# Altium PCB WatchX_Pro.PcbDoc (part 1 of 2)
Units mil, origin at the board's own origin, x right, y up, seen from the top; angles counter-clockwise.
Board outline 1290.15 x 1742.13 mil, 2 copper layers (Top Layer, Bottom Layer); 83 components, 60 nets, 312 pads, 112 vias.
Unrouted connection lines stored in the file: 11.
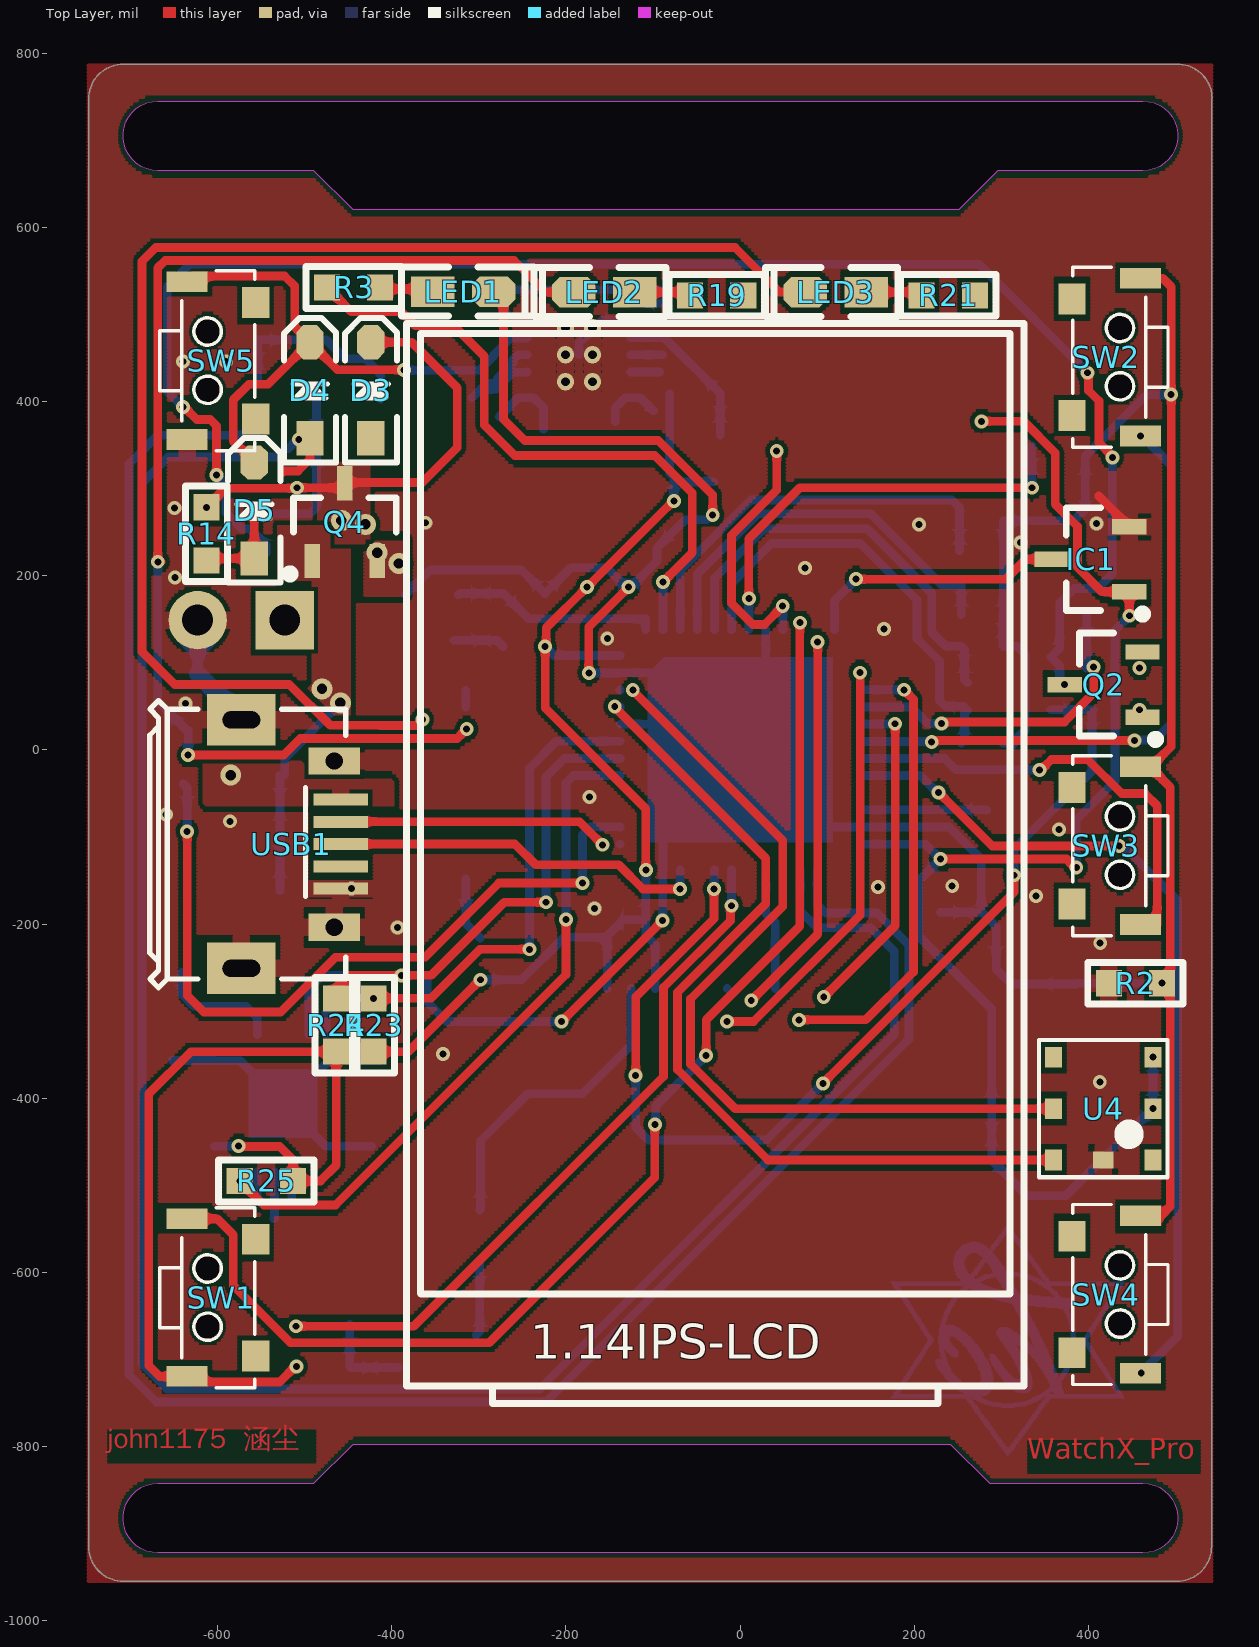
[diagram p0: Top Layer view]
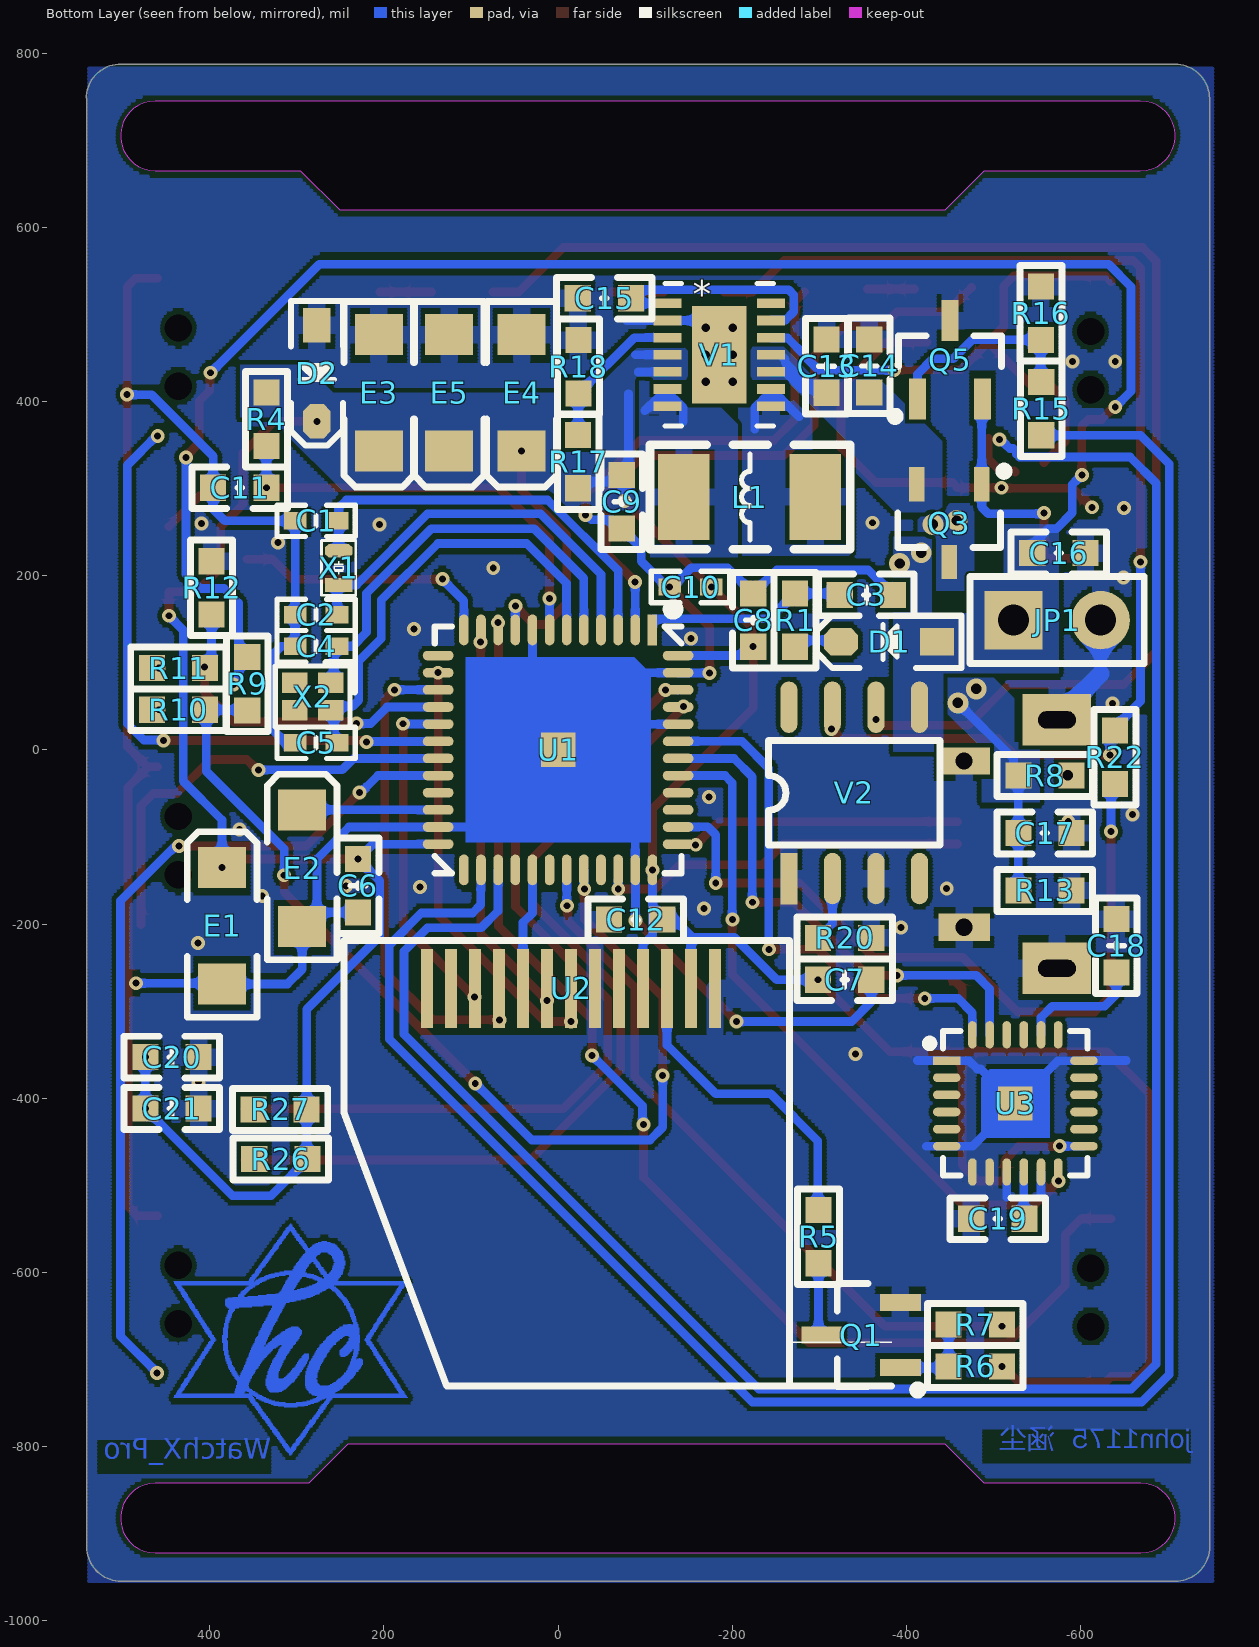
[diagram p1: Bottom Layer view, seen from below]

## Layer stack, top to bottom
Top Solder: solder mask 0.4, Solder Resist, Dk 3.5
Top Layer: signal copper 1.4
Dielectric 1: dielectric 12.6, FR-4, Dk 4.8
Bottom Layer: signal copper 1.4
Bottom Solder: solder mask 0.4, Solder Resist, Dk 3.5

## Board outline
-748.17,-915.35 ccw(c-708.8,-915.35) -708.66,-954.72 501.97,-954.72 ccw(c501.97,-915.35) 541.34,-915.35 541.34,748.67 541.97,748.03 ccw(c502.6,748.03) 501.97,787.4 -708.6,787.4 -708.66,787.34 ccw(c-708.72,748.03) -748.03,748.03 -748.03,747.97
cut-out: 462.6,745.08 cw(c462.6,705.08) 462.6,665.08 295.91,665.08 250.91,620.08 -444.52,620.08 -489.52,665.08 -668.72,665.08 cw(c-668.72,705.08) -668.72,745.08
cut-out: -668.8,-922.24 cw(c-668.8,-882.24) -668.8,-842.24 -489.52,-842.24 -444.52,-797.24 241.51,-797.24 286.51,-842.24 462.6,-842.24 cw(c462.6,-882.24) 462.6,-922.24

## Design rules (kind name [scope] priority, off if disabled: settings)
Clearance [All] p1: gap=5 ignorepadtopadclearanceinfootprint=TRUE except(0: Arc-Text Arc-Hole Track-Text Track-Hole SMDPad-THPad SMDPad-Text SMDPad-Hole THPad-Text THPad-Hole Via-Text Via-Hole Fill-Text Fill-Hole Poly-Text Poly-Hole Region-Text Region-Hole Text-Text Text-Hole)
PlaneClearance [All] p1: clearance=10
PlaneConnect [All] p1: pad.planeconnectstyle=Relief pad.reliefexpansion=5 pad.reliefentries=4 pad.reliefconductorwidth=20 pad.reliefairgap=5 via.planeconnectstyle=Direct via.reliefexpansion=5 via.reliefentries=4 via.reliefconductorwidth=20 via.reliefairgap=5
PolygonConnect 3.3V [InNet('3.3V')] p1: connectstyle=Direct reliefconductorwidth=10 reliefentries=4 polygonreliefangle="90 Angle" airgapwidth=10
PolygonConnect USB_VCC [InNet('USB_VCC')] p2: connectstyle=Direct reliefconductorwidth=10 reliefentries=4 polygonreliefangle="90 Angle" airgapwidth=10
PolygonConnect BAT [InNet('BAT')] p3: connectstyle=Direct reliefconductorwidth=10 reliefentries=4 polygonreliefangle="90 Angle" airgapwidth=10
PolygonConnect NetD3_2 [InNet('NetD3_2')] p4: connectstyle=Direct reliefconductorwidth=10 reliefentries=4 polygonreliefangle="90 Angle" airgapwidth=10
PolygonConnect VCC [InNet('VCC')] p5: connectstyle=Direct reliefconductorwidth=10 reliefentries=4 polygonreliefangle="90 Angle" airgapwidth=10
PolygonConnect [All] p6: thpad.connectstyle=Relief thpad.reliefconductorwidth=20 thpad.reliefentries=4 thpad.polygonreliefangle="90 Angle" thpad.airgapwidth=5 smdpad.connectstyle=Relief smdpad.reliefconductorwidth=20 smdpad.reliefentries=4 smdpad.polygonreliefangle="90 Angle" smdpad.airgapwidth=5 via.connectstyle=Direct via.reliefconductorwidth=20 via.reliefentries=4 via.polygonreliefangle="90 Angle" via.airgapwidth=10
RoutingVias [All] p1: holewidth=8 width=16 viastyle="Through Hole" minholewidth=8 minwidth=16 maxholewidth=12 maxwidth=24
SolderMaskExpansion [All] p1: expansion=4
UnRoutedNet [All] p1: checkbadconnections=TRUE
Width [All] p1: maxlimit=20 minlimit=10 preferedwidth=10 checkconnectedcopper=TRUE
27 further rules are at their usual default settings.

## Classes and differential pairs
component class Designator: D3 D4 D5 JP1 Q2 Q3 Q4 Q5 R8 R9 R10 R11 R12 R13 R14 R15 R16 SW5 USB1

## Components (designator, comment, footprint, x,y, rotation, side; value= is the part's Value field where it differs from the comment)
C1 "22pF" "C 0402_M" 278,263 r180 bottom
C2 "22pF" "C 0402_M" 278,155 r180 bottom
C3 "104" "C 0603_L" -354,178 r180 bottom
C4 "22pF" "C 0402_M" 277.93,119 r180 bottom
C5 "22pF" "C 0402_M" 277.93,8 r180 bottom
C6 "104" "C 0603_L" 230,-156 r90 bottom
C7 "104" "C 0603_L" -329,-264 r0 bottom
C8 "104" "C 0603_L" -224,149 r270 bottom
C9 "104" "C 0603_L" -73,285 r90 bottom
C10 "105" "C 0402_M" -152,187 r180 bottom
C11 "104" "C 0603_L" 365.59,301 r180 bottom
C12 "104" "C 0603_L" -89,-195 r0 bottom
C13 "106" "C 0603_L" -308.28,440.67 r90 bottom
C14 "106" "C 0603_L" -357.28,440.87 r90 bottom
C15 "104" "C 0603_L" -53.15,518.7 r180 bottom
C16 "106" "C 0603_L" -575,226 r180 bottom
C17 "106" "C 0603_L" -559.06,-95.47 r0 bottom
C18 "2.2nF" "C 0603_L" -641,-225 r90 bottom
C19 "104" "C 0603_L" -505,-538.41 r180 bottom
C20 "104" "C 0603_L" 443.5,-352.89 r0 bottom
C21 "104" "C 0603_L" 443.5,-411.94 r0 bottom
D1 "1N5819" SOD-323 -380,124 r0 bottom
D2 "MM3Z3V6" SOD-323 277,432.44 r270 bottom
D3 "1N5819" SOD-323 -424,413 r90 top
D4 "1N5819" SOD-323 -494,413 r90 top
D5 "1N5819" SOD-323 -558,275 r90 top
E1 "4.7uF/16V" "CD A(3216)" 386,-202 r270 bottom
E2 "4.7uF/16V" "CD A(3216)" 294,-136 r270 bottom
E3 "22uF/10V" "CD A(3216)" 206,410 r90 bottom
E4 "22uF/10V" "CD A(3216)" 42,410 r90 bottom
E5 "22uF/10V" "CD A(3216)" 125.14,410 r90 bottom
IC1 "TC1047/TC1047A" SOT23-3L 402,219 r90 top
JP1 "HDR-1X2" HDR2.54-LI-2P -573,149 r180 bottom
L1 "1.5uH" SMD,4.75x4.45x2mm -220.47,290.35 r0 bottom
LED1 "绿色" "LED 0603G" -318,526 r0 top
LED2 "红色" "LED 0603R" -156,526 r180 top
LED3 "蓝色" "LED 0603B" 110,526 r180 top
Q1 "SS8050" SOT23-3N -348,-672 r90 bottom
Q2 "CJ3401" SOT23-3L 417,75 r90 top
Q3 "CJ3401" SOT23-3L -449,260 r0 bottom
Q4 "CJ3401" SOT23-3L -454,262 r0 top
Q5 "SS8050" SOT23-3N -450,448 r180 bottom
R1 "1K" "R 0603_L" -272,149 r90 bottom
R2 "0R" "R 0603_L" 454,-268 r180 top
R3 "1K" "R 0603_L" -444,531 r180 top
R4 "47K" "R 0603_L" 335,379.59 r90 bottom
R5 "10R" "R 0603_L" -299,-559 r270 bottom
R6 "20K" "R 0603_L" -479,-708 r180 bottom
R7 "1K" "R 0603_L" -479,-660 r0 bottom
R8 "0R" "R 0603_L" -559.06,-29.46 r0 bottom
R9 "1M" "R 0603_L" 357,76 r270 bottom
R10 "1K" "R 0603_L" 436,46 r0 bottom
R11 "10K" "R 0603_L" 436,94 r180 bottom
R12 "10K" "R 0603_L" 398,186 r90 bottom
R13 "10K" "R 0603_L" -559.06,-161.48 r180 bottom
R14 "100K" "R 0603_L" -613,248 r270 top
R15 "1K" "R 0603_L" -554.74,391.87 r270 bottom
R16 "10K" "R 0603_L" -554.45,501.41 r90 bottom
R17 "1M" "R 0603_L" -23,331 r270 bottom
R18 "180K" "R 0603_L" -23.23,440 r270 bottom
R19 "2K" "R 0603_L" -27,522 r0 top
R20 "2K" "R 0603_L" -329,-216 r0 bottom
R21 "10K" "R 0603_L" 239,522 r0 top
R22 "2K" "R 0603_L" -639.46,-8.46 r270 bottom
R23 "10K" "R 0603_L" -421,-316 r270 top
R24 "10K" "R 0603_L" -464,-316 r270 top
R25 "10K" "R 0603_L" -544,-495 r180 top
R26 "4.7K" "R 0603_L" 318.41,-470 r180 bottom
R27 "4.7K" "R 0603_L" 319.41,-413 r180 bottom
SW1 "3x6x5" "TSW 4.6*1.82*3.5-S-W" -611.56,-629 r90 top
SW2 "3x6x5" "TSW 4.6*1.82*3.5-S-W" 436.23,451 r270 top
SW3 "3x6x5" "TSW 4.6*1.82*3.5-S-W" 436.23,-110 r270 top
SW4 "3x6x5" "TSW 4.6*1.82*3.5-S-W" 436.23,-625.46 r270 top
SW5 "3x6x5" "TSW 4.6*1.82*3.5-S-W" -611.56,447 r90 top
U1 "STM32F411CEU6" "QFN48 7X7_N" 0,0 r0 bottom
U2 "IPS-LCD" 1.14IPS-LCD -713.61,-478.72 r270 top
U3 "MPU6050" "QFN24 4x4_L" -525,-406 r270 bottom
U4 "BMP180" LGA-7 417,-411.94 r270 top
USB1 "USB-5P" USB-MICRO_A -572.83,-108.27 r270 top
V1 "TPS63020" "VSON - 14" -100.04,538.74 r180 bottom
V2 "TP4056" SOP8_L -340,-49.41 r90 bottom
X1 "32.768kHz" "OSC 1016-2P" 252,209 r270 bottom
X2 "25MHz" "OSC 1612-4P" 281.87,61.25 r0 bottom

## Footprints (in the part's own frame and the unit in brackets; to place one, negate y for a bottom-side part, rotate by r counter-clockwise, add the part's x,y. Pads: shape width x height; smd on the part's side, far side on the other; paste and mask are expansions set on the pad)
1.14IPS-LCD [mm] "1.14寸IPS-LCD裸屏SPI接口"
  rect 2.3x0.35 smd far side: 1(-5.2,21.95) 2(-5.2,21.25) 3(-5.2,20.55) 4(-5.2,19.85) 5(-5.2,19.15) 6(-5.2,18.45) 7(-5.2,17.75) 8(-5.2,17.05) 9(-5.2,16.35) 10(-5.2,15.65) 11(-5.2,14.95) 12(-5.2,14.25) 13(-5.2,13.55)
  silkscreen extent -24.6,8.4 6.9,26.4
"C 0402_M" [mil] "无极性贴片电容"
  rect 26x20 smd: 1(-24,0) 2(24,0)
  silkscreen extent -45,-18 45,18, body extent -20,-10 20,10, height 21
"C 0603_L" [mil] "无极性贴片电容"
  rect 30x30 smd: 1(-30.59,0) 2(30.59,0)
  silkscreen extent -55,-24 55,24, body extent -31,-16 31,16, height 32
"CD A(3216)" [mm] "长3.2mm，宽1.6mm，厚1.6mm"
  rect 1.2x1.4 smd: 1(-1.7,0) 2(1.7,0)
  silkscreen extent -2.74,-1.02 2.67,1.02, body extent -1.6,-0.8 1.6,0.8, height 1.6
HDR2.54-LI-2P [mm] "排针，2脚"
  rect 1.7x1.7 hole 0.9: 1(-1.27,0)
  round 1.7 hole 0.9: 2(1.27,0)
  silkscreen extent -2.54,-1.27 2.54,1.27, body extent -2.54,-1.27 2.54,1.27, height 8.5
"LED 0603B" [mil] "蓝色0603LED"
  rect 50x35 smd: 1(-35,0.26)
  oct 50x35 smd: 2(35,0.26)
  silkscreen extent -71,-28 81,28, body extent -31,-16 32,16, height 24
"LED 0603G" [mil] "绿色0603LED"
  rect 50x35 smd: 1(-35,0.26)
  oct 50x35 smd: 2(35,0.26)
  silkscreen extent -71,-28 81,28, body extent -31,-16 32,16, height 18
"LED 0603R" [mil] "红色0603LED"
  rect 50x35 smd: 1(-35,0.26)
  oct 50x35 smd: 2(35,0.26)
  silkscreen extent -71,-28 81,28, body extent -31,-16 31,16, height 18
LGA-7 [mm]
  rect 0.6x0.5 smd: 1(1.5,1.45) 2(0,1.45) 3(-1.5,1.45) 4(-1.5,-1.45) 5(0,-1.45) 6(1.5,-1.45)
  rect 0.5x0.6 smd: 7(1.5,0)
  silkscreen extent -2,-1.88 2,1.87
"OSC 1016-2P" [mm] "1.6*1.0*0.5mm(长宽高)"
  oct 0.4x0.8 smd: 1(-0.5,0)
  rect 0.4x0.8 smd: 2(0.5,0)
  silkscreen extent -0.8,-0.5 0.8,0.5
"OSC 1612-4P" [mm] "1.6*1.2*0.35mm（长宽高）"
  rect 0.75x0.6 smd: 1(-0.525,-0.4) 2(0.525,-0.4) 3(0.525,0.4) 4(-0.525,0.4)
  silkscreen extent -1.22,-0.99 1.09,0.89, body extent -0.8,-0.6 0.8,0.6, height 0.35
"QFN24 4x4_L" [mm] "24脚，长x宽x高：4x4x1mm，脚距：0.5mm"
  rect 0.25x0.8 smd: 1(-1.25,-2)
  oval 0.25x0.8 smd: 2(-0.75,-2) 3(-0.25,-2) 4(0.25,-2) 5(0.75,-2) 6(1.25,-2) 13(1.25,2) 14(0.75,2) 15(0.25,2) 16(-0.25,2) 17(-0.75,2) 18(-1.25,2)
  oval 0.8x0.25 smd: 7(2,-1.25) 8(2,-0.75) 9(2,-0.25) 10(2,0.25) 11(2,0.75) 12(2,1.25) 19(-2,1.25) 20(-2,0.75) 21(-2,0.25) 22(-2,-0.25) 23(-2,-0.75) 24(-2,-1.25)
  rect 1x1 smd: 25(0,0)
  Top Layer region: -1,1 1,1 1,-1 -0.75,-1 -1,-0.75
  silkscreen extent -2.11,-2.6 2.11,2.11, body extent -2.01,-2.01 2.01,2.01, height 0.95
"QFN48 7X7_N" [mm] "48脚，长x宽x高：7x7x1mm，脚距：0.5mm"
  rect 0.28x0.9 smd: 1(-2.75,-3.5)
  oval 0.28x0.9 smd: 2(-2.25,-3.5) 3(-1.75,-3.5) 4(-1.25,-3.5) 5(-0.75,-3.5) 6(-0.25,-3.5) 7(0.25,-3.5) 8(0.75,-3.5) 9(1.25,-3.5) 10(1.75,-3.5) 11(2.25,-3.5) 12(2.75,-3.5) 25(2.75,3.5) 26(2.25,3.5) 27(1.75,3.5) 28(1.25,3.5) 29(0.75,3.5) 30(0.25,3.5) 31(-0.25,3.5) 32(-0.75,3.5) 33(-1.25,3.5) 34(-1.75,3.5) 35(-2.25,3.5) 36(-2.75,3.5)
  oval 0.9x0.28 smd: 13(3.5,-2.75) 14(3.5,-2.25) 15(3.5,-1.75) 16(3.5,-1.25) 17(3.5,-0.75) 18(3.5,-0.25) 19(3.5,0.25) 20(3.5,0.75) 21(3.5,1.25) 22(3.5,1.75) 23(3.5,2.25) 24(3.5,2.75) 37(-3.5,2.75) 38(-3.5,2.25) 39(-3.5,1.75) 40(-3.5,1.25) 41(-3.5,0.75) 42(-3.5,0.25) 43(-3.5,-0.25) 44(-3.5,-0.75) 45(-3.5,-1.25) 46(-3.5,-1.75) 47(-3.5,-2.25) 48(-3.5,-2.75)
  rect 1x1 smd mask+0.051: 49(0,0)
  Top Layer region: -2.7,2.7 2.7,2.7 2.7,-2.7 -2.214,-2.7 -2.7,-2.214
  silkscreen extent -3.6,-4.25 3.6,3.6, body extent -3.51,-3.51 3.51,3.51, height 0.95
"R 0603_L" [mil] "1/10W贴片电阻"
  rect 30x30 smd: 1(-30.59,0) 2(30.59,0)
  silkscreen extent -55,-24 55,24, body extent -31,-16 31,16, height 16
SMD,4.75x4.45x2mm [mm] "4.75x4.45x2mm长宽高"
  rect 1.5x2.5 smd: 1(-1.905,0) 2(1.93,0)
  silkscreen extent -2.92,-1.52 2.92,1.52
SOD-323 [mm] "1.8x1.3X0.9mm（长宽高，不包括引脚）"
  rect 1x0.8 smd: 1(-1.4,0)
  oct 1x0.8 smd: 2(1.4,0)
  silkscreen extent -2.11,-0.76 2.11,0.76, body extent -1.34,-0.63 1.31,0.67, height 1
SOP8_L [mm] "5*6*1.8mm（长宽高）"
  rect 1.5x0.5 smd: 1(-2.5,1.905)
  oval 1.5x0.5 smd: 2(-2.5,0.635) 3(-2.5,-0.635) 4(-2.5,-1.905) 5(2.5,-1.905) 6(2.5,-0.635) 7(2.5,0.635) 8(2.5,1.905)
  silkscreen extent -1.52,-2.5 1.52,2.5, body extent -3,-2.5 3,2.5, height 1.9
SOT23-3L [mm] "3x1.3x1mm(长宽高)"
  rect 0.45x1 smd: 1(-0.95,-1.143) 2(0.95,-1.143) 3(0,1.125)
  silkscreen extent -1.72,-1.65 1.5,0.7, body extent -1.5,-1.2 1.5,1.2, height 1.05
SOT23-3N [mm] "3x1.3x1mm(长宽高)"
  rect 0.5x1.2 smd: 1(-0.95,-1.143) 2(0.95,-1.143) 3(0,1.143)
  silkscreen extent -1.72,-1.78 1.5,0.7, body extent -1.5,-1.2 1.5,1.2, height 1.05
"TSW 4.6*1.82*3.5-S-W" [mm] "侧立贴片4.6*1.82*3.5"
  rect 0.9x0.8 smd: 0(-1.7,-1.4) 0(1.7,-1.4)
  round 0 hole 0.8: 0(-0.85,0) 0(0.85,0)
  rect 0.6x1.2 smd: 1(2.3,0.6) 2(-2.3,0.6)
  silkscreen extent -2.63,-1.38 2.63,1.4
USB-MICRO_A [mm] "micro型USB ，5.7*7.8*2.5mm"
  rect 0.35x1.6 smd: 1(-1.3,2.9) 2(-0.65,2.9) 3(0,2.9) 4(0.65,2.9) 5(1.3,2.9)
  rect 1.5x2 hole 0.5 slot 1.1 at 90 deg: 5(-3.625,0) 5(3.625,0)
  rect 0.8x1.5 hole 0.5: 5(-2.425,2.71) 5(2.425,2.71)
  silkscreen extent -4.19,-2.67 4.19,3.05, body extent -4,-2.71 4,2.89, height 2.8
"VSON - 14" [mil]
  rect 32.28x11.02 smd: 1(25.55,-25.94) 2(25.55,-45.63) 3(25.55,-65.31) 4(25.55,-85) 5(25.55,-104.69) 6(25.55,-124.37) 7(25.55,-144.06) 8(144.45,-144.06) 9(144.45,-124.37) 10(144.45,-104.68) 11(144.45,-85) 12(144.45,-65.31) 13(144.45,-45.63) 14(144.45,-25.94)
  rect 62.2x112.2 smd: 15(85,-85)
  round 20 hole 10 mask-1000: 16(69.5,-116) 17(69.5,-85) 18(69.5,-54) 19(100.5,-116) 20(100.5,-85) 21(100.5,-54)
  silkscreen extent 23,-167 147,-3, body extent 26,-164 144,-6, height 39

## Part data
C1 C2 C3 C4 C5 C6 C7 C8 C9 C10 C11 C12 C13 C14 C15 C16 C17 C18 C19 C20 C21: library part C, "无极性贴片电容", 学习资源=https://lmdzstyle
D1 D3 D4 D5: "肖特基二极管"
D2: "3.6V/0.3W稳压管"
E1 E2 E3 E4 E5: library part C-CD, "贴片钽电容", 学习资源=https://lmdzstyle
IC1: "温度传感器 温度=(电压-500mV)÷10，测温范围-40℃~125℃"
JP1: library part "Header 2", "2P接插件", 学习资源=ww
L1: library part L-CD, "贴片功率电感", 学习资源=https://lmdzstyle
LED1 LED2 LED3: library part LED-SMD, "贴片LED", 学习资源=ww
Q1 Q5: library part 8050-SMD, "高频放大-NPN型 丝印J3Y", 学习资源=ww, 属性="40V 1.5A 1W 10"
Q2 Q3 Q4: "P沟道 30V/4.2A"
R1 R2 R3 R4 R5 R6 R7 R8 R9 R10 R11 R12 R13 R14 R15 R16 R17 R18 R19 R20 R21 R22 R23 R24 R25 R26 R27: library part R, "贴片电阻", 学习资源=https://lmdzstyle
SW1 SW2 SW3 SW4 SW5: library part "TSW 3x6", "3x6轻触开关", BOM名称=3x, 学习资源=ww
U1: "ARM Cortex-M4 32-bit MCU+FPU, 105 DMIPS, 256 kB Flash, 64 kB Internal RAM, 36 I/Os, 48-pin UFQFPN, -40 to 85 degC, Tray", I/Os (High Current)=36, Manufacturer=STMicroelectronics, Operating Frequency(F) (Processor speed) (MHz)=84, PartNumber=STM32F401CCU6, Supplier Part Number 1=19X6217, Supply Voltage(Vcc) max (V)=3.6, Supply Voltage(Vcc) min (V)=1.8, ComponentLink1Description="Manufacturer URL", ComponentLink1URL=http://www.st.com/web/en/home.html, ComponentLink2Description=Datasheet, ComponentLink2URL=http://www.st.com/st-web-ui/static/active/en/resource/technical/document/data_brief/DM00071938.pdf, ComponentLink3Description="Package Specification", ComponentLink3URL=http://www.st.com/st-web-ui/static/active/en/resource/technical/document/data_brief/DM00071938.pdf, Core="ARM Cortex-M4", DatasheetVersion="Rev. 1", FLASH Size (Prog) (kB)=256, Internal RAM Size (kB)=64, Mounting Technology="Surface Mount", PackageDescription="48-Pin Ultra Thin Fine Pitch Quad Flat No-Lead, 7 x 7 x 0.6 mm Body, 0.5 mm Pitch, Exposed Pad", PackageReference=UFQFPN48, PackageVersion="Rev. 1, 04/2013", Packing=Tray, Supplier 1=Newark, Supplier 2=Mouser, Supplier Part Number 2=511-STM32F401CCU6
U2: library part IPS-LCD-1.14, "IPS-LCD-1.14寸裸屏spi接口"
U3: "数字运动传感器"
U4: "气压传感器Pressure Sensor 4.35PSI ~ 15.95PSI _30kPa ~ 110kPa_ Absolute 16 ~ 19 b 7-VLGA", Package="VLGA-7 Bosch Sensortec", Digi-Key_Part_Number=828-1027-1-ND, Digi-Key_Purchase_URL=https://www.digikey.com/product-detail/en/bosch-sensortec/BMP180/828-1027-1-ND/2688260?utm_source=snapeda&utm_medium=aggregator&utm_campaign=symbol, MF="Bosch Sensortec", MP=BMP180, SnapEDA_Link=https://www.snapeda.com/parts/BMP180/Bosch%20Sensortec/view-part/587596/?ref=snap
USB1: "微型USB母座", 学习资源=ww
V1: "单电感器降压/升压转换器   High Efficiency Single Inductor Buck-Boost Converter with 4A Switch"
V2: "锂电池充电管理"
X1: library part XTAL-2P, "2脚无源脚晶振", 学习资源=ww
X2: library part XTAL-MC-4P, "MC系列4脚晶振"

## Via types
v1: diameter 16, hole 8, Top Layer to Bottom Layer, tented both sides, 105 vias
v2: diameter 24, hole 12, Top Layer to Bottom Layer, tented both sides, 7 vias

## Nets (pads, with @x,y where several pads share a name; then routed paths per layer and width w, separated by ;. In a path a pad name is that pad's centre, name@x,y a point inside that pad or via, vN(x,y) a via of type N, cw(c..) or ccw(c..) an arc to the next point about the centre after c; other vN are vias at no path point)
3.3V: C6.2 C7.2 C8.2 C9.2 C10.2 C12.1 C20.2 C21.2 D2.2 E1.1 E3.1 E4.1 E5.1 IC1.1 R4.2 R6.2 R17.2 R23.2 R24.2 R25.1 R26.2 R27.2 SW1.2 U1.9 U1.24 U1.36 U1.48 U2.10 U2.12 U3.13 U4.2 U4.3 V1.4 V1.5 | length 4414.8
  Top Layer w10: v1(-576,-455) -575.59,-455.41 -528.59,-455.41 -513.41,-470.59 R25.1@-513.41,-495 -482,-495 -464,-477 R24.2@-464,-346.59 ; v1(-509.59,-708) -510.83,-708 -528.83,-726 -628.73,-726 SW1.2@-635.18,-719.55 -666.45,-719.55 -679,-707 -679,-395 -630.59,-346.59 R24.2@-464,-346.59 ; v1(-298.41,-264) -381,-346.59 R23.2@-421,-346.59 R24.2@-464,-346.59 ; v1(-108.27,-137.8) -108.27,-67.48 -223.92,48.17 v1(-223.92,118.49) -222.77,119.64 -222.77,140.23 v1(-175.92,187.08) -175.42,187.08 -76.5,286 v1(-76,286) ; v1(42,343.07) 42,298.45 -10,246.45 -10,168.54 14.54,144 27.9,144 v1(48.9,165) ; v1(230,-125.41) 230.06,-125.35 374.66,-125.35 384.38,-135.07 v1(386,-135.07) ; v1(277,377.32) 325.68,377.32 362,341 362,282 387.39,256.61 387.39,209.61 415.4,181.6 IC1.1@447,181.6 v1(447,154)
  Bottom Layer w10: U3.13@-603.74,-455.21 -603.66,-455.13 -576.13,-455.13 v1(-576,-455) ; v1(-298.41,-264) -251,-264 -202.11,-215.11 -152.59,-215.11 ; C8.2@-224,118.41 -214,108.41 -137.94,108.41 U1.48@-137.8,108.27 ; U2.12@-152.59,-274 -152.59,-215.11 ; V1.5@-125.59,434.05 -92.23,434.05 ; V1.4@-125.59,453.74 -88.77,453.74 ; v1(-108.27,-137.8) C12.1@-108.27,-195 ; U2.10@-97.47,-274 -97.47,-223.53 -108.27,-212.73 C12.1@-108.27,-195 ; C9.2@-80.8,317.39 -80.8,408.9 ; v1(-76,286) C9.2@-76,312.59 ; C9.2@-65.41,308 R17.2@-30.59,308 ; v1(48.9,165) 49.06,164.84 49.06,137.95 U1.9@49.21,137.8 ; U1.24@137.8,-108.27 212.86,-108.27 v1(230,-125.41) 205,-150.41 205,-214.05 288.82,-297.87 R27.2@288.82,-413 R26.2@288.82,-469 ; R26.2@287.82,-470 329.82,-512 374.03,-512 v1(474.09,-411.94) v1(474.09,-352.89) ; v1(386,-135.07) 386,-80.53 430.41,-36.12 430.41,137.41 v1(447,154) ; -152.59,-215.11 -152.59,-213.59 -134,-195 C12.1@-119.59,-195 C12.1@-108.27,-195
BAT: C16.1 D1.1 JP1.1 Q2.3 Q4.2 R9.1 V2.5 | length 1908.7
  Top Layer w10: v1(-639.76,393.7) -638.14,393.7 -623.91,379.47 -608.63,379.47 -601.38,372.22 v1(-601.38,315.59) ; v1(399,433.07) 400.15,431.92 400.15,412.64 412.18,400.61 412.18,352.75 427.47,337.46 v1(427.47,335.84)
  Bottom Layer w10: v1(-639.76,393.7) -657.76,411.7 -657.76,531.98 -632.16,557.59 274.48,557.59 v1(399,433.07) ; v1(-601.38,315.59) -590.55,304.76 -590.55,272.26 -572.29,254 -562.95,254 -544.41,235.46 C16.1@-544.41,226 ; v1(372.71,75) 372.71,76.62 367,82.33 367,96.59 R9.1@357,106.59 367,116.59 367,168.55 383.68,185.24 410.79,185.24 427.47,201.92 v1(427.47,335.84)
  other v2: -392.12,214 -417,226.39
BAT_CHG: R22.2 U1.38 | length 870.5
  Top Layer w10: v1(-635,-93.5) -635,-282 -616,-301 -527.65,-301 -464.65,-238 -362,-238 -277,-153 v1(-181,-153)
  Bottom Layer w10: R22.2@-639.46,-39.05 -635,-43.52 v1(-635,-93.5) ; v1(-181,-153) -181,-97.54 -171.84,-88.39 -137.99,-88.39 U1.38@-137.8,-88.58
BAT_CTRL: R9.2 R10.1 U1.32 | length 1187.6
  Top Layer w10: v1(-120,-374) -120,-283.79 -30,-193.79 v1(-30,-160) ; v1(95.19,-383) 314.59,-163.59 v1(314.59,-144)
  Bottom Layer w10: v1(-120,-374) -120,-433.46 -105.46,-448 30.19,-448 v1(95.19,-383) ; v1(-30,-160) -29.72,-159.72 -29.72,-137.99 U1.32@-29.53,-137.8 ; v1(314.59,-144) 314.59,-113.8 404,-24.39 R10.1@404,44.59 ; R9.2@356.59,46 404,46 R10.1@404,44.59 ; R10.1@405.41,46 R10.1@404,44.59
BAT_DET: R11.2 R12.1 U1.16 | length 383.8
  Top Layer w10: v1@231.43,32.09 372.49,32.09 406,65.61 v1@406,94.08
  Bottom Layer w10: U1.16@137.8,49.21 137.9,49.11 196.61,49.11 215.56,30.16 v1(231.43,30.16) 232.81,30.16 v1@234.46,28.5 ; R11.2@397.41,94 398,94.59 R12.1@398,155.41
  other v1: 406,95
BMP180_SCL: R26.1 U1.45 U4.6 | length 1005.9
  Top Layer w10: v1@-144.5,49.5 29.53,-124.53 29.53,-176.69 -72,-278.21 -72,-367 32.06,-471.06 U4.6@359.91,-471.06
  Bottom Layer w10: U1.45@-137.99,49.02 U1.45@-137.8,49.21
  other v1: -144,50
BMP180_SDA: R27.1 U1.46 U4.5 | length 983.2
  Top Layer w10: v1@-123.61,68.61 49.06,-104.06 49.06,-179.98 -57,-286.04 -57,-360.79 -5.79,-412 U4.5@359.91,-412
  Bottom Layer w10: U1.46@-137.99,68.7 U1.46@-137.8,68.9
  other v1: -123.32,68.9
EN: D4.2 D5.2 SW5.1 V1.12 | length 679.3
  Top Layer w10: SW5.1@-635.18,537.55 -628.52,544.21 -523.21,544.21 -511.61,532.61 -511.61,485.73 D4.2@-494,468.12 ; D5.2@-558,330.12 -582.19,354.31 -582.19,401.93 -564.12,420 -542.12,420 D4.2@-494,468.12 ; v1(-386,436) -386.43,436.43 -462.31,436.43 D4.2@-494,468.12
  Bottom Layer w10: v1(-386,436) -299.4,436 -283.28,452.12 -283.28,453.12 -263.49,472.91 -245,472.91 V1.12@-244.49,473.43
GND: C12.2 C13.2 C14.2 C15.1 C16.2 C17.1 C18.2 C19.1 C20.1 C21.1 D2.1 E3.2 E4.2 E5.2 IC1.2 JP1.2 Q1.2 Q5.3 R2.2 R12.2 R13.2 R16.2 R18.1 R20.1 SW5.2 U2.8 U2.13 U3.1 U3.6 U3.7 U3.8 U3.9 U3.11 U3.18 U3.25 U4.7 USB1.5 V1.2 V1.15 V1.16 V1.17 V1.18 V1.19 V1.20 V1.21 V2.1 V2.3 | length 785.7
  Top Layer w10: 411.89,291.51 IC1.2@447,256.4
  Bottom Layer w10: -652.07,-356.79 U3.18@-603.74,-356.79 -603.66,-356.87 -574.13,-356.87 U3.25@-525,-406 ; -623,87.47 JP1.2@-623,149 ; USB1.5@-570.24,34.72 USB1.5@-560.4,34.72 ; -554.61,-512.43 -554.61,-484.82 U3.11@-554.53,-484.74 ; U3.9@-515.16,-484.74 -515.08,-484.82 -515.08,-513.92 ; -423.01,-455.21 U3.6@-446.26,-455.21 -446.34,-455.13 -475.87,-455.13 U3.25@-525,-406 ; -412.45,-356.79 U3.1@-446.26,-356.79 -446.34,-356.87 -471.88,-356.87 -481.49,-366.47 -485.47,-366.47 U3.25@-525,-406 ; V1.15@-185.04,453.74 -185.04,467.01 -158.94,493.11 V1.2@-125.59,493.11 -78.74,493.11
  Bottom Layer w20: -623,87.47 USB1.5@-570.24,34.72
  other v1: 412.99,-381.32 -341.32,-349.41 413.51,-222 -393.7,-204.17 -167.32,-182.36 339.8,-167.69 -446.23,-159.18 158.46,-157.48 243.53,-156.5 366.14,-91.54 -585.8,-82 -659.45,-74 -173.23,-54.13 -636.81,53.15 -152.59,127.81 165.38,139 -649.21,198 74.51,209 321.85,238 205.39,258.75 409.45,259.84 -361.22,260.83 -649.61,278 -639.76,446 -590.55,446
KEY1: SW2.1 U1.18 | length 711.6
  Top Layer w10: v1(220,9) 221.62,9 223.36,10.74 v1(453,10.74)
  Bottom Layer w10: U1.18@137.8,9.84 137.99,9.65 219.35,9.65 v1(220,9) ; v1(453,10.74) 453.53,11.27 476,11.27 495,30.27 495,327 v1@460.7,361.3
  other v1: 459.85,360.45
KEY2: SW3.1 U1.19 | length 510
  Top Layer w10: v1(344,-23) 345.62,-23 357.62,-11 399,-11 438.19,-50.19 465,-50.19 479,-64.19 SW3.1@479,-200.55
  Bottom Layer w10: U1.19@137.8,-9.84 234.63,-9.84 247.79,-23 v1(344,-23)
KEY3: SW4.1 U1.20 | length 984.7
  Top Layer w10: v1(228,-49) 289.35,-110.35 v1(435.35,-110.35) v1@436,-111
  Bottom Layer w10: U1.20@137.8,-29.53 206.9,-29.53 226.38,-49 v1(228,-49) ; v1@436,-111 440.18,-111 502.59,-173.41 502.59,-673.27 v1@459.85,-716.01
  other v1: 460.63,-715.55
LED: R3.2 U1.2 | length 734.7
  Top Layer w10: R3.2@-474.59,531 -446.59,503 -389.21,503 -373.21,487 -329,487 -294,452 -294,373 -259,338 -98,338 -55,295 -55,226.39 v1(-88.39,193)
  Bottom Layer w10: U1.2@-88.58,137.8 -88.58,145.53 -88.48,145.63 -88.48,192.9 v1(-88.39,193)
MPU6050_INT: R25.2 U1.41 U3.12 | length 781.4
  Top Layer w10: v1(-574.59,-495) -546.93,-522.66 -464.66,-522.66 -200,-258 v1(-200,-195)
  Bottom Layer w10: v1(-200,-195) -200,-38 -191.53,-29.53 U1.41@-137.8,-29.53
MPU6050_SCL: R24.1 U1.42 U3.23 | length 697.1
  Top Layer w10: R24.1@-464,-285.41 -464,-274 -449,-259 v1(-389,-259) -354.82,-259 -270.82,-175 v1(-223,-175)
  Bottom Layer w10: U3.23@-495.47,-327.26 -495.47,-274.47 -480,-259 v1(-389,-259) ; v1(-223,-175) -223,-31 -201.84,-9.84 U1.42@-137.8,-9.84
MPU6050_SDA: R23.1 U1.43 U3.24 | length 630.7
  Top Layer w10: v1(-421,-285.41) -355.09,-285.41 -298.68,-229 v1(-242,-229)
  Bottom Layer w10: -475.79,-310.79 U3.24@-475.79,-327.26 -475.71,-327.18 -475.71,-310.79 -475.71,-302.03 -459.09,-285.41 v1(-421,-285.41) ; v1(-242,-229) -242,-21 -211.16,9.84 U1.43@-137.8,9.84
NetC3_1: C3.1 R1.2 U1.1 | length 240.3
  Bottom Layer w10: C3.1@-323.41,178 -321.82,179.59 R1.2@-272,179.59 -242.92,150.51 -108.78,150.51 -108.27,150 U1.1@-108.27,137.8
NetC15_2: C15.2 V1.1 V1.13 | length 287.2
  Bottom Layer w10: V1.13@-244.49,493.11 -245,493.62 -261.11,493.62 -270.63,503.14 -270.63,522.45 -264.77,528.31 -93.35,528.31 C15.2@-83.74,518.7 -89.64,512.8 V1.1@-125.59,512.8
NetC18_1: C18.1 U3.20 | length 142.6
  Bottom Layer w10: C18.1@-641,-255.59 -641,-281 -627.41,-294.59 -567.41,-294.59 -554.61,-307.39 -554.61,-327.18 U3.20@-554.53,-327.26
NetC19_2: C19.2 U3.10 | length 54
  Bottom Layer w10: C19.2@-535.59,-538.41 -534.84,-537.66 U3.10@-534.84,-484.74
NetD1_2: D1.2 R1.1 | length 60
  Bottom Layer w10: D1.2@-328.94,125.9 -279.49,125.9 R1.1@-272,118.41
NetD3_2: D3.2 Q3.3 Q4.3 R14.1 | length 501.7
  Top Layer w10: v1(-613,278.59) -591.16,300.43 -509.57,300.43 v1(-509,301) Q4.3@-457.86,301 ; Q4.3@-454,306.29 -453.29,307 -365,307 -324.8,347.2 -324.8,415.8 -377.12,468.12 D3.2@-424,468.12
  Bottom Layer w10: v1@-510.62,301 v1(-509,301)
  other v2: -430.46,259 -458,263.41
NetD5_1: D5.1 Q3.1 Q5.2 R14.2 | length 305.8
  Top Layer w10: R14.2@-610.53,219.88 D5.1@-558,219.88 v1(-558,272)
  Bottom Layer w10: v1@-559.64,271 -494,271 -486.4,278.6 Q3.1@-486.4,305 -486.4,402 Q5.2@-487.4,403
NetL1_1: L1.1 V1.8 V1.9 | length 89
  Bottom Layer w10: -276.57,382.68 -254.72,404.53 -244.09,404.53 -237.5,404.53 -225.75,392.77 -225.75,368.54
NetL1_2: L1.2 V1.6 V1.7 | length 70.9
  Bottom Layer w10: -143.54,377.13 -143.54,392.77 -131.79,404.53 -125.2,404.53 -114.57,404.53 -99.41,389.37
NetLED1_1: LED1.1 R3.1 | length 54.2
  Top Layer w10: R3.1@-409.36,529.26 LED1.1@-355.21,529.26
NetLED2_1: LED2.1 R19.1 | length 59.7
  Top Layer w10: LED2.1@-121,525.74 R19.1@-61.33,525.74
NetLED2_2: LED2.2 R22.1 V2.7 | length 1424
  Top Layer w10: v1@-665,216 -668.8,219.8 -668.8,553.5 -660.31,562 -259.72,562 -223.46,525.74 LED2.2@-191,525.74 ; v1(-633.86,-6) -524.23,-6 -505.23,13 -325,13 v1(-314,24)
  Bottom Layer w10: v1(-668.8,216) -668.8,55.8 R22.1@-635,22 ; R22.1@-634,22.59 -633.86,22.45 v1(-633.86,-6) ; V2.7@-315,48.85 V2.7@-315,49.02 V2.7@-315,68.53
NetLED3_1: LED3.1 R21.1 | length 59.7
  Top Layer w10: LED3.1@145,525.74 R21.1@204.67,525.74
NetLED3_2: LED3.2 V2.6 | length 1597.8
  Top Layer w10: v1(-365,34.72) -371.72,28 -413.61,28 -413.83,28.22 -470.87,28.22 -517.65,75 -649.21,75 -686.8,112.59 -686.8,561.2 -671,577 -6,577 45.26,525.74 LED3.2@75,525.74
NetQ1_1: Q1.1 R6.1 R7.2 | length 104
  Bottom Layer w10: R7.2@-448.41,-660 R6.1@-448.41,-708 -447.01,-709.4 Q1.1@-393,-709.4
NetQ1_3: Q1.3 R5.2 | length 84.1
  Bottom Layer w10: Q1.3@-303,-672 -299,-668 R5.2@-299,-589.59
NetQ2_1: Q2.1 R10.2
  other v1: 458.67,46.08
NetQ2_2: Q2.2 R11.1
  other v1: 458.67,94.08
NetQ5_1: Q5.1 R15.1 R16.1 | length 234.6
  Bottom Layer w10: R15.1@-554.16,422.46 -554.16,470.82 -475.42,470.82 -453.61,449 -430.25,449 -412.6,431.35 Q5.1@-412.6,403
NetR8_1: R8.1 USB1.1
  other v2: -585,-28.92
NetR17_1: R17.1 R18.2 V1.3 | length 176.8
  Bottom Layer w10: V1.3@-125.59,473.43 -87.24,473.43 R18.2@-23.23,409.41 -23,409.18 R17.1@-23,361.59
NetR20_2: R20.2 V2.2 | length 74.9
  Bottom Layer w10: V2.2@-315,-148 -315,-199.41 R20.2@-298.41,-216
OSC32_IN: C1.2 U1.3 X1.1 | length 475.6
  Bottom Layer w10: U1.3@-68.9,137.8 -68.9,205.87 12.23,287 243,287 252,278 X1.1@252,228.69
OSC32_OUT: C2.2 U1.4 X1.2 | length 461.9
  Bottom Layer w10: U1.4@-49.21,137.8 -49.21,201.52 20.27,271 150,271 231.68,189.32 X1.2@252,189.32 ; C2.2@254,155 X1.2@254,189.32
OSC_IN: C4.2 U1.5 X2.1 | length 493.5
  Bottom Layer w10: U1.5@-29.53,137.8 -29.53,197.16 27.31,254 145.79,254 220,179.79 220,135 236,119 C4.2@253.93,119 257.56,115.37 257.56,80.63 X2.1@261.2,77
OSC_OUT: C5.2 U1.6 X2.4 | length 515.4
  Bottom Layer w10: U1.6@-9.84,137.8 -9.65,137.99 -9.65,191.35 36,237 138,237 203,172 203,127.96 229,101.96 229,57 235.84,50.16 256.54,50.16 X2.4@261.2,45.5 257.56,41.87 257.56,11.63 C5.2@253.93,8
Power_EN: R15.2 U1.26 | length 2560.3
  Bottom Layer w10: R15.2@-554.74,361.28 -668.72,361.28 -701.8,328.2 -701.8,-717.41 -670.21,-749 -223,-749 194,-332 194,-224.26 157.11,-187.38 98.38,-187.38 88.78,-177.78 88.78,-137.99 U1.26@88.58,-137.8
Power_ON: D4.1 U1.27 | length 2589.2
  Top Layer w10: -525,319 -523.85,320.15 -507.85,320.15 -494,334 D4.1@-494,357.88 D4.1@-494.12,358
  Bottom Layer w10: v1(-506.89,356.3) -508.51,356.3 -518.74,346.07 -522.67,346.07 -526.21,342.54 -526.21,339.81 -529.74,336.28 -656.72,336.28 -686.8,306.2 -686.8,-705.34 -658.14,-734 -230.35,-734 177,-326.65 177,-231.3 150.07,-204.38 88.38,-204.38 69.09,-185.09 69.09,-137.99 U1.27@68.9,-137.8
RST: C11.2 R4.1 U1.7 | length 501.9
  Top Layer w10: v1(10,174) 10,242.41 68.59,301 v1(335,301)
  Bottom Layer w10: U1.7@9.84,137.8 9.92,137.87 9.92,173.92 v1(10,174) ; v1(335,301) R4.1@335,349
SWCLK: U1.37 USB1.2 | length 312
  Top Layer w10: USB1.2@-458.66,-82.41 -184.59,-82.41 v1(-158,-109)
  Bottom Layer w10: U1.37@-137.99,-108.46 U1.37@-137.8,-108.27
SWDIO: U1.34 USB1.3 | length 433.2
  Top Layer w10: USB1.3@-458.66,-108 -258.72,-108 -234.72,-132 -139.52,-132 -111.67,-159.85 v1(-69,-159.85)
  Bottom Layer w10: v1(-69,-159.85) -68.95,-159.8 U1.34@-68.9,-137.8 U1.34@-68.9,-137.8
Temperature: IC1.3 U1.12 | length 302.7
  Top Layer w10: v1(133,196) 305,196 328,219 IC1.3@357.71,219
  Bottom Layer w10: U1.12@108.27,137.8 108.27,171.27 v1(133,196)
TFT_BLK: R7.1 U1.31 | length 812.1
  Top Layer w10: v1@-510,-662 -375,-662 -88,-375 -88,-273 -11.15,-196.15 -11.15,-180.15 v1(-10,-179)
  Bottom Layer w10: v1@-9.84,-180.75 U1.31@-9.84,-137.8
  other v1: -509.92,-661.92
TFT_CS: U1.14 U2.7 | length 481.8
  Top Layer w10: v1(-15,-312) 15.41,-312 137.8,-189.61 v1(137.8,88.58)
  Bottom Layer w10: U2.7@-14.9,-274.1 U2.7@-14.8,-274
TFT_DC: U1.29 U2.5 | length 140.7
  Bottom Layer w10: U1.29@29.53,-137.8 29.53,-187.55 40.32,-198.34 U2.5@40.32,-274
TFT_LEDK: R5.1 U2.11 | length 363.4
  Bottom Layer w10: R5.1@-299,-528.41 -298.14,-527.55 -298.14,-449.14 -244,-395 -181,-395 -125.03,-339.03 U2.11@-125.03,-274
TFT_RES: U1.11 U2.6 | length 443.6
  Top Layer w10: v1(12.76,-288) 89,-211.76 v1(89,124)
TFT_SCL: U1.15 U2.4 | length 533.2
  Top Layer w10: v1(67.5,-310) 144.15,-310 199,-255.15 199,58 v1(188,69)
  Bottom Layer w10: U1.15@137.8,68.9 U1.15@137.8,68.9 187.95,68.95 v1(188,69)
TFT_SDA: U1.17 U2.3 | length 399.8
  Top Layer w10: v1(96,-284) 178,-202 v1(178,30)
  Bottom Layer w10: U1.17@149.05,29.06 148.58,29.53 U1.17@137.8,29.53 137.99,29.72 177.72,29.72 v1(178,30)
USB_VCC: C17.2 D3.1 Q4.1 R8.2 R13.1 R19.2 R21.2 V2.4 V2.8 | length 241.5
  Bottom Layer w10: R13.1@-528.46,-161.48 C17.2@-528.46,-95.47 R8.2@-528.46,-29.46 ; R8.2@-523,-29 -523,-10 v2(-459,54)
  other v2: -480.18,70
VCAP_1: E2.1 U1.22 | length 145.3
  Bottom Layer w10: U1.22@137.8,-68.9 282.83,-68.9 E2.1@283,-69.07
VCC: C13.1 C14.1 Q3.2 V1.10 V1.11 | length 140.4
  Bottom Layer w10: C13.1@-308,404.21 C13.1@-298,414.21 ; -284.21,421 -291.21,421 C13.1@-298,414.21 ; -278.93,426.28 -260.77,444.44 -260.77,448.09 -255.12,453.74 V1.11@-244.49,453.74 ; V1.10@-244.49,434.06 -245,433.54 -261.11,433.54 -280.44,414.21 C13.1@-298,414.21
VSS: C1.1 C2.1 C3.2 C4.1 C5.1 C6.1 C7.1 C8.1 C9.1 C10.1 C11.1 E1.2 E2.2 LED1.2 R2.1 SW2.2 SW3.2 SW4.2 U1.8 U1.23 U1.35 U1.44 U1.47 U1.49 | length 4577.6
  Top Layer w10: LED1.2@-283,526.26 -271.75,515.01 -271.75,379.81 -247.25,355.32 -94.1,355.32 -31.5,292.71 v1(-31.5,269.68) ; v1(-205,-312) v1(-89,-196) ; v1@-174,88 -174,141 v1(-128,187) ; SW4.2@459.85,-534.91 483.09,-534.91 494,-524 494,-43 470.45,-19.45 SW3.2@459.85,-19.45 ; SW2.2@459.85,541.55 485.45,541.55 495,532 v1(495,408) 495,3.89 SW3.2@471.66,-19.45
  Bottom Layer w10: C3.2@-384.59,178 -356,206.59 -251,206.59 C8.1@-224,179.59 -194.59,209 -153,209 -131,187 v1(-128,187) -125,187 -95.47,216.53 -95.47,231.94 C9.1@-73,254.41 -63,264.41 -38.39,264.41 -33.12,269.68 v1(-31.5,269.68) ; C7.1@-359.59,-264 -359.59,-289.41 -337,-312 v1(-205,-312) ; v1@-174,88 v1(-173.61,88.39) -137.99,88.39 U1.47@-137.8,88.58 -88.58,88.58 -29.53,29.53 ; U1.44@-137.8,29.53 -29.53,29.53 ; v1(-89,-196) -88.78,-195.78 -88.78,-137.99 U1.35@-88.58,-137.8 -88.58,-88.58 U1.49@0,0 ; U1.8@29.53,137.8 29.53,2.24 28.17,0.89 -0.47,29.53 -29.53,29.53 ; C6.1@230,-186.59 E2.2@277,-186.59 ; C5.1@301.93,8 313,8 327.3,22.3 327.3,109.7 318,119 C4.1@301.93,119 ; C4.1@301.97,119.03 C2.1@302,155 ; C2.1@302,155 C1.1@302,263 383,263 396.18,276.18 C11.1@396.18,301 396.18,337.28 466.76,407.85 496.85,407.85 v1@498,409 ; v1(484.59,-268) 386.93,-268 E1.2@386,-268.93 310.93,-268.93 294,-252 E2.2@294,-202.93 277.66,-186.59 E2.2@277,-186.59 ; -29.53,29.53 U1.49@0,0 ; U1.49@0,0 88.58,-88.58 U1.23@137.8,-88.58 240.14,-88.58 277,-125.44 E2.2@277,-186.59
WKUP: SW1.1 U1.10 | length 1416.1
  Top Layer w10: SW1.1@-635.18,-538.45 -600.55,-538.45 -582.19,-556.81 -582.19,-615.11 -516.3,-681 -288,-681 -98,-491 v1(-98,-430) ; v1(-39,-351) -39,-310 68.59,-202.41 v1@68.59,146
  Bottom Layer w10: v1@-97,-430 v1(-98,-430) -96.85,-428.85 -96.85,-408.85 v1(-39,-351)
  other v1: 68.9,146
pads on no net: SW1.0 SW2.0 SW3.0 SW4.0 SW5.0 U1.13 U1.21 U1.25 U1.28 U1.30 U1.33 U1.39 U1.40 U2.1 U2.2 U2.9 U3.2 U3.3 U3.4 U3.5 U3.14 U3.15 U3.16 U3.17 U3.19 U3.21 U3.22 U4.1 U4.4 USB1.4 V1.14 X2.2 X2.3